# Altium PCB Copy of master.PcbDoc (part 6 of 7)
Units mm, origin at the board's own origin, x right, y up, seen from the top; angles counter-clockwise.
Board outline 160 x 120 mm, 6 copper layers (Top Signal, Top GND, Inner PWR, Inner Signal, Bottom GND, Bottom Signal), stack 1.571 mm thick; 553 components, 452 nets, 2073 pads, 879 vias.
Unrouted connection lines stored in the file: 269.
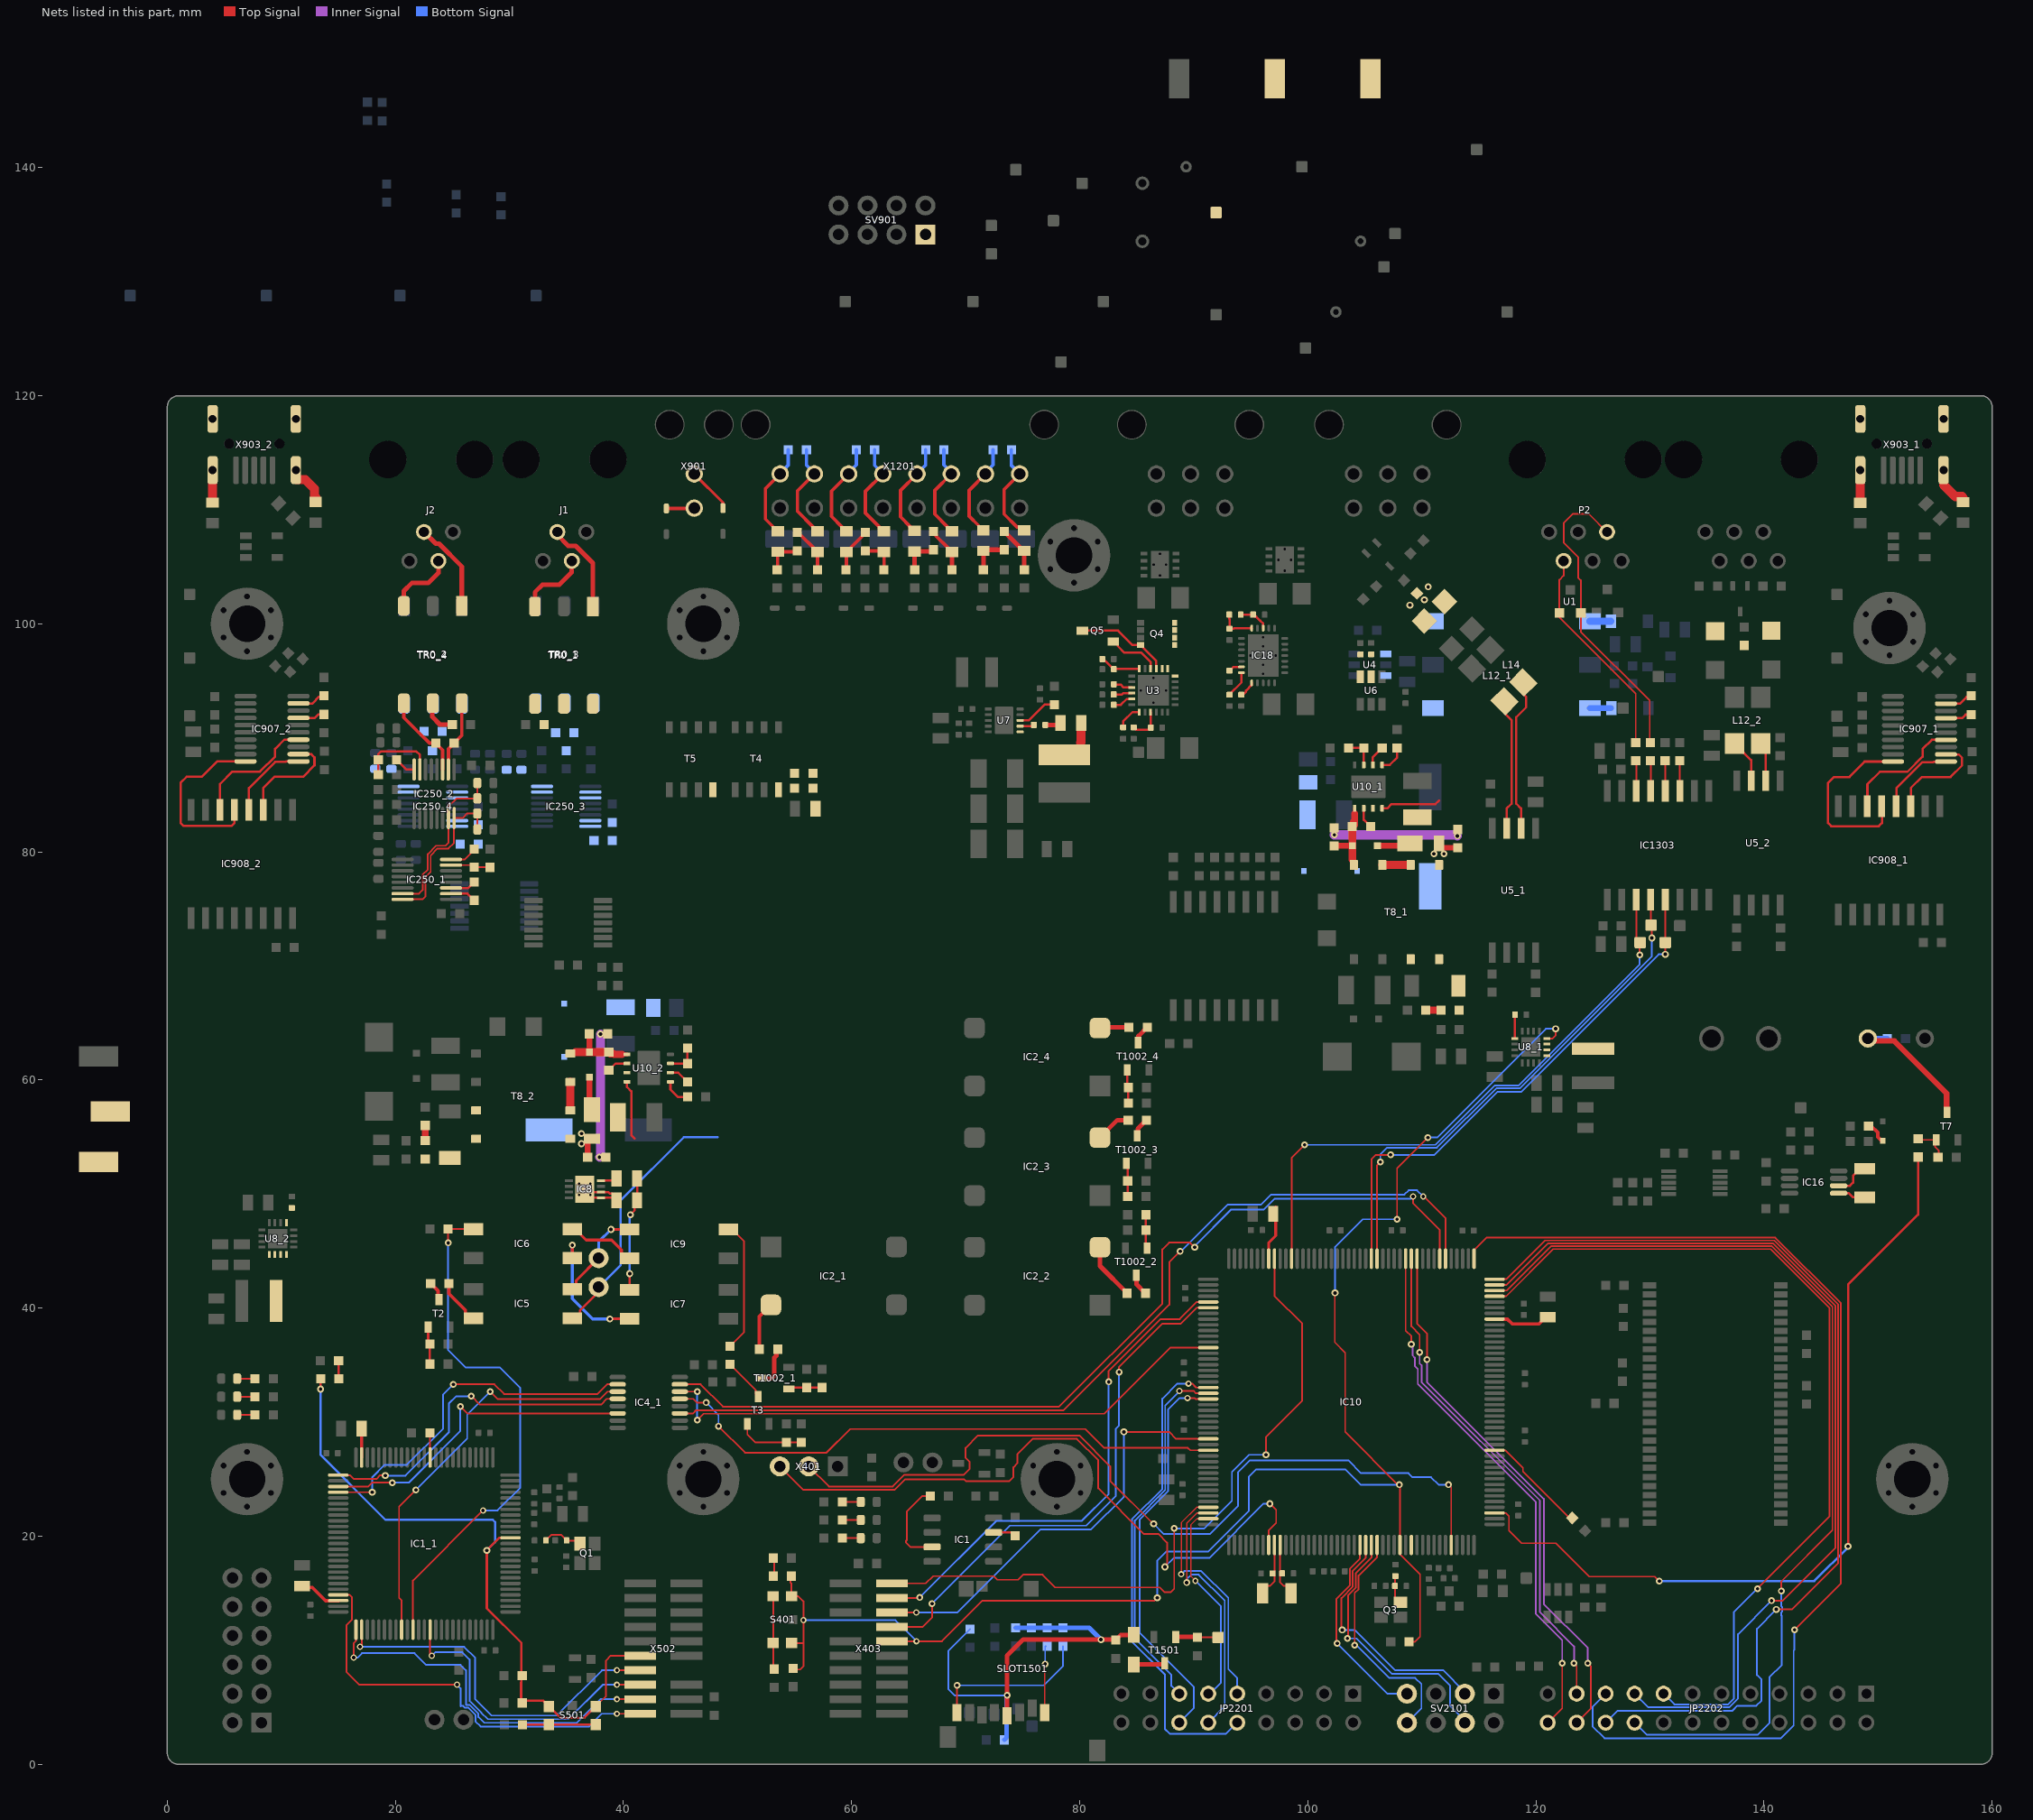
[diagram p10: the nets of this part, all layers, seen from the top]

## Via types
v1: diameter 0.6, hole 0.3, Top Signal to Bottom Signal, 679 vias
v2: diameter 0.55, hole 0.3, Top Signal to Bottom Signal, tented both sides, 125 vias
v3: diameter 0.45, hole 0.2, Top Signal to Bottom Signal, 31 vias
v4: diameter 0.5, hole 0.2, Top Signal to Bottom Signal, 16 vias
v5: diameter 0.5, hole 0.3, Top Signal to Bottom Signal, tented both sides, 13 vias
v6: diameter 0.55, hole 0.3, Top Signal to Bottom Signal, 10 vias
v7: diameter 0.6, hole 0.3, Top Signal to Bottom Signal, tented both sides, 4 vias
v8: diameter 0.5, hole 0.3, Top Signal to Bottom Signal, 1 vias

## Nets (pads, with @x,y where several pads share a name; then routed paths per layer and width w, separated by ;. In a path a pad name is that pad's centre, name@x,y a point inside that pad or via, vN(x,y) a via of type N, cw(c..) or ccw(c..) an arc to the next point about the centre after c; other vN are vias at no path point) (continued)
INTERLOCK_FEEDBACK_MCU_1: IC1_1.86 IC6.3 R8.2 | length 46.3
  Top Signal w0.152: IC1_1.86@21.543,11.804 21.543,16.115 v2(27.686,22.258) ; v1(24.625,45.72) R8.2@24.625,46.93 26.823,46.93 IC6.3@26.833,46.92
  Bottom Signal w0.152: v1(24.625,45.72) 24.625,36.326 26.151,34.8 29.132,34.8 30.949,32.983 30.949,24.248 28.959,22.258 v2(27.686,22.258)
INTERLOCK_STATUS: D2.1 R24.2 R25.1 R26.1 SV901.1 X901.1 | length 4.1
  Top Signal w0.152: X901.1@46.2,113.06 X901.1@46.2,113.14
  Top Signal w0.254: X901.1@46.2,113.14 48.717,110.623 D2.1@48.717,110.142
ISO_FTDI_DTR_1: IC907_1.1 IC908_1.4 | length 7.2
  Top Signal w0.2: IC908_1.4@151.605,83.677 151.605,85.578 153.895,87.868 154.826,87.868 154.875,87.916 155.951,87.916 IC907_1.1@155.954,87.918
ISO_FTDI_DTR_2: IC907_2.1 IC908_2.4 | length 7.2
  Top Signal w0.2: IC908_2.4@7.159,83.693 7.159,85.594 9.449,87.884 10.381,87.884 10.429,87.932 11.505,87.932 IC907_2.1@11.508,87.935
ISO_FTDI_RTS_1: IC907_1.2 IC908_1.3 | length 9.4
  Top Signal w0.2: IC908_1.3@152.875,83.677 152.875,85.607 153.84,86.572 156.337,86.572 ; IC907_1.2@155.954,88.553 155.957,88.551 157.072,88.551 157.349,88.274 157.349,87.571 156.351,86.572
ISO_FTDI_RTS_2: IC907_2.2 IC908_2.3 | length 9.4
  Top Signal w0.2: IC908_2.3@8.429,83.693 8.429,85.623 9.394,86.589 11.891,86.589 ; IC907_2.2@11.508,88.57 11.511,88.567 12.627,88.567 12.903,88.29 12.903,87.587 11.905,86.589
ISO_FTDI_RX_1: IC907_1.4 IC908_1.6 | length 11.1
  Top Signal w0.2: IC908_1.6@149.064,84.87 149.064,85.937 150.157,87.029 152.574,87.029 153.895,88.35 153.895,89.011 154.707,89.823 IC907_1.4@155.954,89.823 ; IC908_1.6@149.065,83.677 IC908_1.6@149.065,84.87
ISO_FTDI_RX_2: IC907_2.4 IC908_2.6 | length 11.1
  Top Signal w0.2: IC908_2.6@4.619,83.693 4.619,84.887 4.618,85.953 5.711,87.046 8.128,87.046 9.449,88.367 9.449,89.027 10.262,89.84 IC907_2.4@11.508,89.84
ISO_FTDI_TX_1: IC907_1.20 IC908_1.5 | length 16.1
  Top Signal w0.2: 147.495,86.572 147.468,86.572 ; IC908_1.5@150.335,83.677 150.335,82.534 150.055,82.254 148.208,82.254 145.89,82.254 145.61,82.534 145.61,86.05 146.133,86.572 147.468,86.572 ; IC907_1.20@151.304,87.918 148.815,87.918 147.468,86.572
ISO_FTDI_TX_2: IC907_2.20 IC908_2.5 | length 16.1
  Top Signal w0.2: 3.049,86.589 3.023,86.589 ; IC908_2.5@5.889,83.693 5.889,82.55 5.61,82.271 1.444,82.271 1.165,82.55 1.165,86.066 1.687,86.589 3.023,86.589 ; IC907_2.20@6.858,87.935 4.369,87.935 3.023,86.589
ISO_GPIO_MCU_0_IN_0: IC10.100 JP2202.21 | length 44.1
  Top Signal w0.15: IC10.100@109.072,44.334 109.072,38.404 109.804,37.672 v1(109.804,36.119) ; v1(123.339,8.865) 123.572,8.631 JP2202.21@123.572,6.19
  Inner Signal w0.15: v1(109.804,36.119) 109.804,35.143 109.99,34.956 109.99,33.478 120.346,23.122 120.346,13.334 123.339,10.341 v1(123.339,8.865)
ISO_GPIO_MCU_0_IN_1: IC10.101 JP2202.24 | length 46.9
  Top Signal w0.15: IC10.101@108.573,44.334 108.573,38.025 109.072,37.526 v1(109.072,36.835) ; JP2202.24@121.032,3.65 122.301,4.919 v1(122.301,8.865)
  Inner Signal w0.15: v1(109.072,36.835) 109.179,36.728 109.179,35.86 109.379,35.661 109.379,34.917 109.64,34.655 109.64,33.333 119.996,22.977 119.996,13.189 122.301,10.884 v1(122.301,8.865)
ISO_GPIO_MCU_0_IN_2: IC10.154 JP2201.14 | length 35.4
  Top Signal w0.152: v2(89.452,32.116) 90.068,32.116 90.151,32.034 IC10.154@91.072,32.034
  Bottom Signal w0.152: JP2201.14@88.27,3.19 JP2201.14@88.73,3.65 90.011,4.931 90.011,6.769 85.24,11.541 85.24,21.432 87.744,23.936 87.744,31.09 88.771,32.116 v2(89.452,32.116)
ISO_GPIO_MCU_0_IN_3: IC10.173 JP2201.9 | length 22
  Top Signal w0.12: v2(88.9,16.662) 88.9,21.181 90.253,22.534 IC10.173@91.273,22.534
  Bottom Signal w0.152: v2(88.9,16.662) 89.186,16.948 90.658,16.948 93.027,14.579 93.027,8.344 93.81,7.561 JP2201.9@93.81,6.19 JP2201.9@94.27,5.73
ISO_GPIO_MCU_0_OUT_0: IC10.152 JP2201.10 | length 42.7
  Top Signal w0.152: v2(89.544,33.384) 89.851,33.384 90.201,33.034 IC10.152@91.072,33.034
  Bottom Signal w0.152: v2(89.544,33.384) 88.565,33.384 87.239,32.058 87.239,24.145 84.571,21.477 84.571,10.759 87.471,7.859 87.471,3.105 87.904,2.673 92.833,2.673 JP2201.10@93.81,3.65
ISO_GPIO_MCU_0_OUT_1: IC10.153 JP2201.13 | length 32.3
  Top Signal w0.152: v2(88.745,32.739) 89.985,32.739 90.19,32.534 IC10.153@91.072,32.534
  Bottom Signal w0.152: JP2201.13@88.73,6.19 88.041,6.879 88.041,7.822 84.826,11.038 84.826,21.375 87.492,24.041 87.492,31.45 88.78,32.739 v2(88.745,32.739)
ISO_GPIO_MCU_0_OUT_2: IC10.174 JP2201.12 | length 24
  Top Signal w0.12: v1(89.381,15.93) 89.381,21.137 90.278,22.034 IC10.174@91.273,22.034
  Bottom Signal w0.152: v1@89.408,16.053 89.408,16.271 89.766,16.629 90.425,16.629 92.71,14.345 92.71,5.09 JP2201.12@91.27,3.65 JP2201.12@90.81,3.19
ISO_GPIO_MCU_0_OUT_3: IC10.175 JP2201.11 | length 18.2
  Top Signal w0.12: v2(90.14,16.091) 89.757,16.473 89.757,21.02 90.271,21.534 IC10.175@91.273,21.534
  Bottom Signal w0.152: v2(90.14,16.091) 92.392,13.838 92.392,7.175 JP2201.11@91.281,6.064
ISONOC_0_CONTROL: IC10.85 JP2202.15 | length 77.7
  Top Signal w0.15: IC10.85@116.372,41.034 117.378,41.034 121.523,45.179 140.578,45.179 145.745,40.012 145.745,21.742 139.435,15.432 v1(139.435,15.391)
  Bottom Signal w0.15: JP2202.15@131.192,6.19 132.135,5.247 136.844,5.247 137.363,5.766 137.363,13.36 139.394,15.391 v1(139.435,15.391)
ISONOC_1_CONTROL: IC10.86 JP2202.18 | length 85
  Top Signal w0.15: IC10.86@116.372,41.534 117.423,41.534 121.318,45.429 140.681,45.429 145.995,40.115 145.995,20.519 141.518,16.042 v1(141.518,15.189) v1@141.518,15.176
  Bottom Signal w0.152: JP2202.18@128.652,3.65 129.724,2.578 139.448,2.578 140.476,3.606 140.476,7.616 141.553,8.693 141.553,13.007 141.498,13.062 141.498,13.298 141.575,13.376 141.575,13.793 141.498,13.87 141.498,15.169 v1(141.518,15.189)
ISONOC_2_CONTROL: IC10.87 JP2202.17 | length 82.4
  Top Signal w0.15: IC10.87@116.372,42.034 117.433,42.034 121.078,45.679 140.785,45.679 146.245,40.219 146.245,18.945 141.645,14.345 140.859,14.345 140.656,14.143 v1(140.656,14.345)
  Bottom Signal w0.152: JP2202.17@128.652,6.19 129.846,4.996 136.948,4.996 137.719,5.766 137.719,11.407 v1(140.656,14.345)
ISONOC_3_CONTROL: IC10.88 JP2202.20 | length 87.3
  Top Signal w0.15: IC10.88@116.372,42.534 117.409,42.534 120.805,45.929 140.888,45.929 146.495,40.322 146.495,17.637 142.442,13.584 141.272,13.584 141.072,13.384 v1(141.072,13.584)
  Bottom Signal w0.152: JP2202.20@126.112,3.65 127.161,4.699 137.236,4.699 137.668,5.131 139.319,5.131 139.776,5.588 139.776,7.423 139.375,7.824 139.375,11.887 v1(141.072,13.584)
ISONOC_4_CONTROL: IC10.89 JP2202.19 | length 95.7
  Top Signal w0.152: IC10.89@114.572,44.334 114.572,45.084 115.669,46.18 140.992,46.18 146.746,40.426 146.746,15.857 v1@142.672,11.782
  Bottom Signal w0.152: JP2202.19@125.653,5.731 124.964,5.042 124.964,3.332 126.009,2.286 141.47,2.286 142.595,3.411 142.595,9.953 142.672,10.03 v1(142.672,11.782)
ISONOC_5_CONTROL: IC10.99 JP2202.22 | length 47.6
  Top Signal w0.152: IC10.99@109.573,44.334 109.573,38.646 110.445,37.774 v1(110.445,35.484) ; JP2202.22@123.572,3.65 124.816,4.894 124.816,8.597 v1(124.548,8.865)
  Inner Signal w0.152: v1(110.445,35.484) 110.527,35.484 110.445,35.402 110.445,33.52 120.698,23.268 120.698,14.06 124.548,10.209 v1(124.548,8.865)
LSE_1_MCU_0: C59.2 IC10.9 Q2.2 | length 4.8
  Top Signal w0.15: Q2.2@96.038,14.994 96.038,15.206 96.463,15.631 96.675,15.631 97.073,16.029 97.073,16.736 IC10.9@97.073,19.234
LSE_2_MCU_0: C61.1 IC10.10 Q2.1 | length 4.8
  Top Signal w0.152: IC10.10@97.573,19.234 97.573,16.736 97.573,15.959 97.898,15.634 98.114,15.634 98.538,15.21 Q2.1@98.538,14.994
MCU_0_ISO_EN: R78.1 U6.6 U10_1.4 | length 5.3
  Top Signal w0.2: U10_1.4@106.506,83.822 106.97,83.822 107.331,84.183 111.185,84.183 111.489,84.487
MCU_0_NRESET: C68.1 IC10.31 R21.1 R27.1 S401.3 S401.4 U8_1.4 X403.10 | length 146.2
  Top Signal w0.15: v1(102.387,41.326) 102.362,41.3 102.362,37.008 103.278,36.092 103.278,29.139 108.072,24.344 IC10.31@108.072,19.234 ; v1(107.827,47.784) 107.827,52.253 v1(110.527,54.953) ; U8_1.4@120.957,63.645 121.468,63.645 121.732,63.91 v1(121.732,64.491)
  Top Signal w0.152: R21.1@54.628,16.496 54.628,15.944 54.728,15.844 S401.4@54.728,14.736 55.329,14.736 55.769,14.296 v2(55.769,12.637) 55.769,10.635 ; S401.3@54.728,10.635 55.769,10.635 ; R27.1@54.88,8.306 55.482,8.306 55.769,8.593 55.769,10.635 ; X403.10@63.535,10.781 65.675,10.781 v2(65.69,10.796) 67.927,10.796 71.476,14.345 86.555,14.345 v1(86.801,14.591) ; IC10.31@108.072,19.234 108.072,18.444 109.843,16.674 109.843,11.186 109.385,10.728 C68.1@108.872,10.728
  Bottom Signal w0.15: v1(86.801,14.591) 86.801,17.878 87.567,18.644 91.267,18.644 94.843,22.22 94.843,25.229 95.457,25.842 103.301,25.842 104.627,24.517 v1(108.03,24.517) ; v1(102.387,41.326) 102.387,45.37 104.801,47.784 v1(107.827,47.784) ; v1(110.527,54.953) 111.327,54.953 120.865,64.491 v1(121.732,64.491)
  Bottom Signal w0.152: v2(55.769,12.637) 63.848,12.637 v2(65.69,10.796)
MCU_0_RTC_ALARM_OUT: IC10.8 X401.3 | length 60.8
  Top Signal w0.15: X401.3@53.702,26.12 55.761,24.061 63.759,24.061 64.677,24.979 69.889,24.979 70.057,24.811 73.806,24.811 74.185,25.19 74.185,26.046 74.534,26.395 74.534,27.19 74.528,27.195 75.867,28.534 79.754,28.534 81.618,26.67 81.618,24.202 85.61,20.211 86.884,20.211 87.66,19.434 87.66,17.621 87.471,17.432 v1(87.471,17.31) ; IC10.8@96.572,19.234 96.575,19.236 96.575,20.521 97.223,21.169 97.223,22.292 v1(96.668,22.847)
  Bottom Signal w0.15: v1(87.471,17.31) 88.244,18.083 91.37,18.083 96.134,22.847 v1(96.668,22.847)
MCU_0_RTC_WAKEUP_IN: IC10.40 X401.2 | length 75.3
  Top Signal w0.15: X401.2@56.242,26.12 58.007,24.354 63.608,24.354 64.637,25.384 69.829,25.384 70.33,25.885 70.33,26.54 70.002,26.869 70.002,27.736 71.086,28.82 79.978,28.82 82.67,26.128 82.67,24.842 86.482,21.03 v1(86.482,21.08) ; v1(112.332,24.517) 112.572,24.276 IC10.40@112.572,19.234
  Bottom Signal w0.15: v1(86.482,21.08) 87.379,20.184 91.426,20.184 93.872,22.63 93.872,25.605 94.897,26.63 103.575,26.63 104.674,25.53 108.831,25.53 109.188,25.173 110.808,25.173 111.464,24.517 v1(112.332,24.517)
MCU_0_SWCLK: IC10.137 X403.4 | length 44.6
  Top Signal w0.152: X403.4@63.535,14.591 65.939,14.591 v1(65.972,14.624) ; v1(82.538,33.534) 82.538,34.496 87.077,39.034 88.766,39.034 90.266,40.534 IC10.137@91.072,40.534
  Bottom Signal w0.152: v1(65.972,14.624) 72.691,21.343 80.181,21.343 82.538,23.7 v1(82.538,33.534)
MCU_0_SWDIO: IC10.124 X403.2 | length 63.1
  Top Signal w0.152: X403.2@63.535,15.861 66.505,15.861 67.14,16.496 72.44,16.496 72.758,16.178 74.598,16.178 75.049,16.629 76.739,16.629 77.858,15.511 87.01,15.511 87.423,15.097 87.995,15.097 88.283,15.386 v1(88.283,20.686) ; v1(96.335,27.14) 96.335,28.707 99.498,31.87 99.498,38.65 97.073,41.076 IC10.124@97.073,44.334
  Bottom Signal w0.152: v1(88.283,20.686) 90.924,20.686 93.343,23.105 93.343,25.64 94.843,27.14 v1(96.335,27.14)
MCU_0_SWO: IC10.161 X403.6 | length 37.7
  Top Signal w0.152: X403.6@63.535,13.321 v2(65.675,13.321) ; v1(83.872,29.139) 87.844,29.139 88.449,28.534 IC10.161@91.072,28.534
  Bottom Signal w0.152: v2(65.675,13.321) 69.278,13.321 76.542,20.585 80.979,20.585 83.872,23.477 v1(83.872,29.139)
MCU_0_TDI: IC10.138 X403.8 | length 46.5
  Top Signal w0.152: X403.8@63.535,12.051 66.241,12.051 67.055,12.864 v1(67.055,14.09) ; v1(83.452,34.388) 83.452,34.852 87.239,38.64 88.874,38.64 90.268,40.034 IC10.138@91.273,40.034
  Bottom Signal w0.152: v1(67.055,14.09) 73.892,20.928 80.587,20.928 83.155,23.496 83.155,29.4 83.452,29.696 v1(83.452,34.388)
MCU_1_ISO_EN: R85.1 U6.5 U10_2.4 | length 5.3
  Top Signal w0.2: U10_2.4@40.314,59.844 40.314,59.38 40.676,59.018 40.676,55.164 40.979,54.861
MCU_1_NRESET: C23.1 IC1_1.14 R5.1 R10.1 S501.3 S501.4 U8_2.4 X502.10 | length 59.7
  Top Signal w0.15: S501.3@37.559,5.073 37.559,5.123 37.934,5.498 37.984,5.498 38.461,5.975 38.461,9.1 38.886,9.525 X502.10@41.465,9.525
  Top Signal w0.203: R10.1@13.443,33.818 13.443,32.896 v1(13.444,32.895) ; IC1_1.14@30.092,19.854 29.091,19.854 28.016,18.779 v1(28.016,18.753) 28.016,13.673 31.046,10.643 31.046,7.188 31.021,7.163 31.021,5.384 31.208,5.57 32.962,5.57 S501.4@33.459,5.073 34.452,4.08 36.566,4.08 S501.3@37.559,5.073
  Bottom Signal w0.203: v1(13.444,32.895) 13.444,27.128 19.131,21.441 28.54,21.441 28.747,21.235 28.747,19.483 v1(28.016,18.753)
MCU_1_SWCLK: IC1_1.76 X502.4 | length 33.1
  Top Signal w0.152: v2(16.351,9.353) 16.337,9.367 16.337,10.596 16.543,10.802 IC1_1.76@16.543,11.804 ; v2(39.42,5.7) X502.4@41.465,5.7
  Bottom Signal w0.152: v2(16.351,9.353) 16.669,9.353 17.064,9.748 21.671,9.748 22.701,8.718 25.717,8.718 26.194,8.241 26.194,5.225 26.21,5.209 26.51,5.209 27.273,4.445 27.273,4.145 27.781,3.638 35.899,3.638 37.962,5.7 v2(39.42,5.7)
MCU_1_SWDIO: IC1_1.72 X502.2 | length 37.5
  Top Signal w0.152: IC1_1.72@14.993,14.854 15.994,14.854 16.192,14.655 16.192,12.686 15.716,12.21 15.716,8.083 16.828,6.971 v2(25.4,6.971) ; v2(39.42,4.43) X502.2@41.465,4.43
  Bottom Signal w0.152: v2(25.4,6.971) 25.717,6.654 25.717,5.066 25.772,5.12 25.941,5.12 26.105,4.957 26.405,4.957 27.021,4.341 27.021,3.763 27.464,3.32 36.982,3.32 38.092,4.43 v2(39.42,4.43)
MCU_1_SWO: IC1_1.89 X502.6 | length 26.4
  Top Signal w0.152: v2@23.019,9.67 v2@23.043,9.646 ; IC1_1.89@23.043,11.604 v2@23.043,9.646 ; v2(23.177,9.511) v2@23.043,9.646 ; v2(39.42,6.97) X502.6@41.465,6.97
  Bottom Signal w0.152: v2(23.177,9.511) 23.495,9.829 25.876,9.829 26.511,9.194 26.511,5.543 26.592,5.461 26.614,5.461 27.526,4.55 27.526,4.528 28.099,3.955 35.166,3.955 38.181,6.97 39.102,6.97 v2(39.42,6.97)
MCU_1_TDI: IC1_1.77 X502.8 | length 32.4
  Top Signal w0.152: v2@17.042,10.408 16.94,10.305 v2(16.891,10.305) 16.891,10.369 17.042,10.52 IC1_1.77@17.042,11.604 ; v2(39.42,8.24) X502.8@41.465,8.24
  Bottom Signal w0.152: v2(16.891,10.305) 26.035,10.305 26.987,9.353 26.987,5.701 28.416,4.273 34.14,4.273 38.107,8.24 v2(39.42,8.24)
MCU_TO_FPGA_INTERFACE_MCU_0_CS: IC10.24 SV2101.7 | length 17.5
  Top Signal w0.152: v1(102.576,10.596) 102.516,10.656 102.516,14.502 103.69,15.675 103.69,17.141 104.573,18.024 IC10.24@104.573,19.234
  Bottom Signal w0.152: v1(102.576,10.596) 106.982,6.19 SV2101.7@108.69,6.19
MCU_TO_FPGA_INTERFACE_MCU_0_MISO: IC10.26 SV2101.4 | length 23.6
  Top Signal w0.152: v1(103.48,11.04) 103.522,11.082 103.522,14.795 104.194,15.466 104.194,16.743 105.573,18.122 IC10.26@105.573,19.234
  Bottom Signal w0.152: v1(103.48,11.04) 104.26,11.04 107.361,7.938 111.429,7.938 112.462,6.905 112.462,5.131 113.77,3.823 SV2101.4@113.77,3.65
MCU_TO_FPGA_INTERFACE_MCU_0_MOSI: IC10.27 SV2101.8 | length 20.8
  Top Signal w0.152: v1(104.104,10.447) 104.104,15.02 104.446,15.362 104.446,16.545 106.072,18.172 IC10.27@106.072,19.234
  Bottom Signal w0.152: v1(104.104,10.447) 104.264,10.447 107.15,7.561 109.421,7.561 109.959,7.024 109.959,4.919 SV2101.8@108.69,3.65
MCU_TO_FPGA_INTERFACE_MCU_0_SCK: IC10.25 SV2101.3 | length 21.5
  Top Signal w0.152: v1(103.019,11.778) 102.943,11.854 102.943,14.572 103.942,15.571 103.942,16.953 105.072,18.084 IC10.25@105.072,19.234
  Bottom Signal w0.152: v1(103.019,11.778) 104.11,11.778 107.633,8.255 111.862,8.255 113.77,6.347 SV2101.3@113.77,6.19
MCU_TO_MCU_INTERFACE_MCU_0_CS: IC4_1.13 IC10.163 | length 50.5
  Top Signal w0.152: IC4_1.13@44.94,32.042 46.102,32.042 46.433,31.711 v1(47.247,31.711) ; v1(48.326,29.645) 50.651,27.32 57.802,27.32 59.875,29.392 80.493,29.392 82.136,27.75 89.487,27.75 89.704,27.534 IC10.163@91.273,27.534
  Bottom Signal w0.152: v1(47.247,31.711) 48.326,30.633 v1(48.326,29.645)
MCU_TO_MCU_INTERFACE_MCU_0_MISO: IC4_1.11 IC10.94 | length 82.1
  Top Signal w0.152: IC4_1.11@44.94,30.772 46.099,30.772 46.37,31.043 78.591,31.043 87.855,40.306 87.855,44.027 v1(88.813,44.985) ; v2(110.118,49.79) 110.177,49.79 112.073,47.895 IC10.94@112.073,44.334
  Bottom Signal w0.152: v1(88.813,44.985) 88.813,44.897 93,49.084 95.914,49.084 96.781,49.95 108.463,49.95 108.84,50.327 109.581,50.327 v2(110.118,49.79)
MCU_TO_MCU_INTERFACE_MCU_0_MOSI: IC4_1.15 IC10.95 | length 82.5
  Top Signal w0.152: IC4_1.15@44.94,33.312 46.761,33.312 48.718,31.355 78.19,31.355 87.239,40.405 87.239,45.14 87.84,45.741 89.678,45.741 v1(90.079,45.34) ; v2@109.24,49.95 v2(109.24,49.779) 109.24,49.183 111.572,46.851 IC10.95@111.572,44.334
  Bottom Signal w0.152: v1(90.079,45.34) 90.047,45.34 90.047,45.4 93.287,48.64 96.137,48.64 97.092,49.595 109.056,49.595 v2(109.24,49.779)
MCU_TO_MCU_INTERFACE_MCU_0_SCK: IC4_1.14 IC10.145 | length 51.2
  Top Signal w0.152: IC4_1.14@44.94,32.677 v1(46.463,32.677) ; v1(46.463,30.19) 47.011,30.738 82.163,30.738 87.959,36.534 IC10.145@91.072,36.534
  Bottom Signal w0.152: v1(46.463,30.19) v1(46.463,32.677)
MCU_TO_MCU_INTERFACE_MCU_1_CS: IC1_1.51 IC4_1.4 | length 29.6
  Top Signal w0.152: IC1_1.51@14.993,25.354 16.014,25.354 16.356,25.011 18.333,25.011 18.676,25.354 19.077,25.354 v1(19.116,25.315) ; v1@26.671,32.295 27.419,31.547 38.032,31.547 38.527,32.042 IC4_1.4@39.49,32.042
  Bottom Signal w0.152: v1(19.116,25.315) 20.886,25.315 24.692,29.121 24.692,31.637 25.328,32.273 v1(26.649,32.273)
MCU_TO_MCU_INTERFACE_MCU_1_MISO: IC1_1.53 IC4_1.6 | length 28.9
  Top Signal w0.152: IC1_1.53@14.993,24.354 17.617,24.354 17.956,24.693 v1(19.733,24.693) ; v1(25.697,31.369) 26.294,30.772 IC4_1.6@39.49,30.772
  Bottom Signal w0.152: v1(19.733,24.693) 21.172,24.693 25.697,29.218 v1(25.697,31.369)
MCU_TO_MCU_INTERFACE_MCU_1_MOSI: IC1_1.54 IC4_1.2 | length 31.6
  Top Signal w0.152: IC1_1.54@14.993,23.854 v1(17.968,23.854) ; v1(25.082,33.309) 25.085,33.312 28.686,33.312 29.534,32.465 37.723,32.465 38.571,33.312 IC4_1.2@39.49,33.312
  Bottom Signal w0.152: v1(17.968,23.854) 17.968,25.18 19.038,26.25 20.999,26.25 24.193,29.444 24.193,32.419 v1(25.082,33.309)
MCU_TO_MCU_INTERFACE_MCU_1_SCK: IC1_1.84 IC4_1.3 | length 36
  Top Signal w0.152: IC1_1.84@20.543,11.804 20.543,14.361 20.32,14.584 20.32,22.581 v1(21.794,24.055) ; v1(28.309,32.675) 28.311,32.677 28.966,32.022 37.93,32.022 38.584,32.677 IC4_1.3@39.49,32.677
  Bottom Signal w0.152: v1(21.794,24.055) 26.293,28.554 26.293,30.659 v1(28.309,32.675) v1@28.309,32.677
Memory_SUPPLY_CONTROL: IC10.33
Memorycard_SUPPLY: C1501.2 C1502.1 L1501.1 R1502.2 R1503.2 R1504.2 R1506.2 R1507.2 SLOT1501.4 | length 40.5
  Top Signal w0.4: SLOT1501.4@73.631,4.256 v1(73.631,6.051) 73.631,9.529 75.033,10.932 v1(81.86,10.932) 83.11,10.932 C1501.2@83.155,10.886 83.614,11.345 L1501.1@84.74,11.345
  Bottom Signal w0.152: R1507.2@70.389,11.863 68.469,9.942 68.469,6.619 69.067,6.02 73.601,6.02 v1(73.631,6.051)
  Bottom Signal w0.4: C1502.1@73.403,2.141 73.601,2.339 v1@73.601,6.02 ; R1504.2@74.372,11.964 R1506.2@75.755,11.964 R1502.2@77.139,11.964 R1503.2@78.522,11.964 80.828,11.964 v1(81.86,10.932)